# KiCad board SNES Device.kicad_pcb (continued)
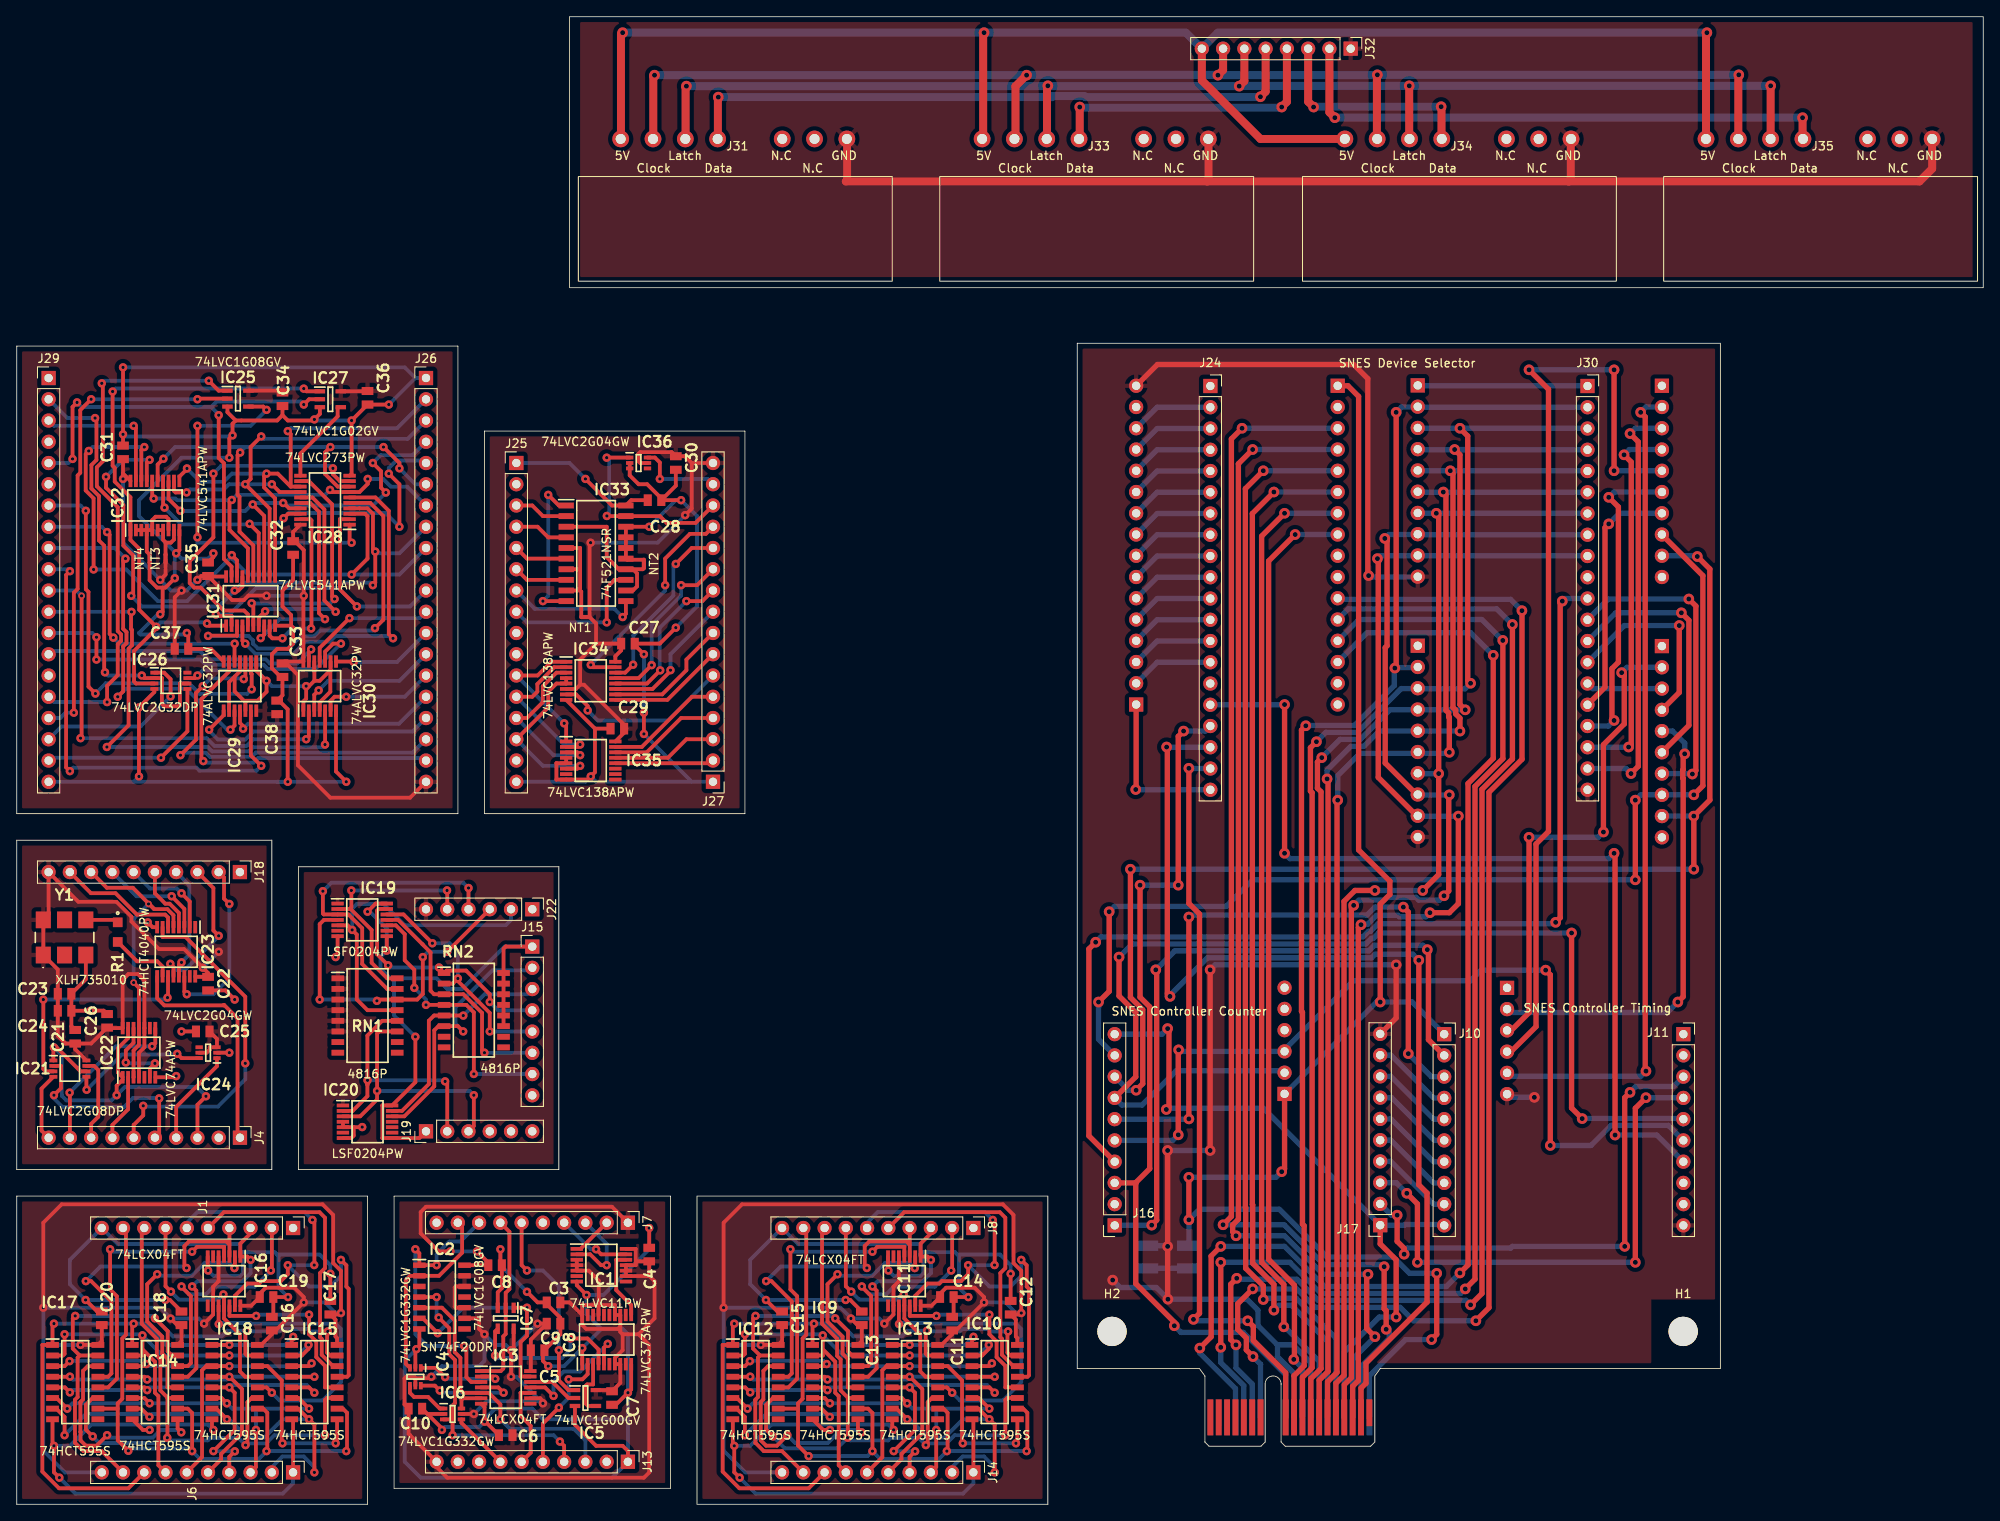
[diagram p0: board, top side]
## Footprints (pads in the part's own frame, mm; a bottom-side part is the same pattern mirrored in y, then rotated) (continued)
SNES Controller Port
  round 2 hole 1.2: 1(11.58,0) 2(7.72,0) 3(3.86,0) 4(-3.86,0) 5(-7.72,0) 6(-11.58,0) 7(-15.44,0)
SOIC127P600X175-14N
  rect 1.5x0.65 smd: 1(-2.7,3.81) 2(-2.7,2.54) 3(-2.7,1.27) 4(-2.7,0) 5(-2.7,-1.27) 6(-2.7,-2.54) 7(-2.7,-3.81) 8(2.7,-3.81) 9(2.7,-2.54) 10(2.7,-1.27) 11(2.7,0) 12(2.7,1.27) 13(2.7,2.54) 14(2.7,3.81)
SOIC127P600X175-16N
  rect 1.525x0.7 smd: 1(-2.712,4.445) 2(-2.712,3.175) 3(-2.712,1.905) 4(-2.712,0.635) 5(-2.712,-0.635) 6(-2.712,-1.905) 7(-2.712,-3.175) 8(-2.712,-4.445) 9(2.712,-4.445) 10(2.712,-3.175) 11(2.712,-1.905) 12(2.712,-0.635) 13(2.712,0.635) 14(2.712,1.905) 15(2.712,3.175) 16(2.712,4.445)
SOIC127P762X215-16N
  rect 1.505x0.7 smd: 1(-3.548,4.445) 2(-3.548,3.175) 3(-3.548,1.905) 4(-3.548,0.635) 5(-3.548,-0.635) 6(-3.548,-1.905) 7(-3.548,-3.175) 8(-3.548,-4.445) 9(3.548,-4.445) 10(3.548,-3.175) 11(3.548,-1.905) 12(3.548,-0.635) 13(3.548,0.635) 14(3.548,1.905) 15(3.548,3.175) 16(3.548,4.445)
SOIC127P780X200-20N
  rect 1.825x0.7 smd: 1(-3.562,5.715) 2(-3.562,4.445) 3(-3.562,3.175) 4(-3.562,1.905) 5(-3.562,0.635) 6(-3.562,-0.635) 7(-3.562,-1.905) 8(-3.562,-3.175) 9(-3.562,-4.445) 10(-3.562,-5.715) 11(3.562,-5.715) 12(3.562,-4.445) 13(3.562,-3.175) 14(3.562,-1.905) 15(3.562,-0.635) 16(3.562,0.635) 17(3.562,1.905) 18(3.562,3.175) 19(3.562,4.445) 20(3.562,5.715)
SOP65P210X110-6N
  rect 0.875x0.45 smd: 1(-1.062,0.65) 2(-1.062,0) 3(-1.062,-0.65) 4(1.062,-0.65) 5(1.062,0) 6(1.062,0.65)
SOP65P400X110-8N
  rect 0.95x0.45 smd: 1(-1.975,0.975) 2(-1.975,0.325) 3(-1.975,-0.325) 4(-1.975,-0.975) 5(1.975,-0.975) 6(1.975,-0.325) 7(1.975,0.325) 8(1.975,0.975)
SOP65P640X110-14N
  rect 1.475x0.45 smd: 1(-2.938,1.95) 2(-2.938,1.3) 3(-2.938,0.65) 4(-2.938,0) 5(-2.938,-0.65) 6(-2.938,-1.3) 7(-2.938,-1.95) 8(2.938,-1.95) 9(2.938,-1.3) 10(2.938,-0.65) 11(2.938,0) 12(2.938,0.65) 13(2.938,1.3) 14(2.938,1.95)
SOP65P640X110-16N
  rect 1.475x0.45 smd: 1(-2.938,2.275) 2(-2.938,1.625) 3(-2.938,0.975) 4(-2.938,0.325) 5(-2.938,-0.325) 6(-2.938,-0.975) 7(-2.938,-1.625) 8(-2.938,-2.275) 9(2.938,-2.275) 10(2.938,-1.625) 11(2.938,-0.975) 12(2.938,-0.325) 13(2.938,0.325) 14(2.938,0.975) 15(2.938,1.625) 16(2.938,2.275)
SOP65P640X110-20N
  rect 1.475x0.45 smd: 1(-2.938,2.925) 2(-2.938,2.275) 3(-2.938,1.625) 4(-2.938,0.975) 5(-2.938,0.325) 6(-2.938,-0.325) 7(-2.938,-0.975) 8(-2.938,-1.625) 9(-2.938,-2.275) 10(-2.938,-2.925) 11(2.938,-2.925) 12(2.938,-2.275) 13(2.938,-1.625) 14(2.938,-0.975) 15(2.938,-0.325) 16(2.938,0.325) 17(2.938,0.975) 18(2.938,1.625) 19(2.938,2.275) 20(2.938,2.925)
SOP65P640X120-14N
  rect 1.475x0.45 smd: 1(-2.938,1.95) 2(-2.938,1.3) 3(-2.938,0.65) 4(-2.938,0) 5(-2.938,-0.65) 6(-2.938,-1.3) 7(-2.938,-1.95) 8(2.938,-1.95) 9(2.938,-1.3) 10(2.938,-0.65) 11(2.938,0) 12(2.938,0.65) 13(2.938,1.3) 14(2.938,1.95)
SOT95P275X110-5N
  rect 1.25x0.5 smd: 1(-1.25,0.95) 2(-1.25,0) 3(-1.25,-0.95) 4(1.25,-0.95) 5(1.25,0.95)
XLH735010000000X
  rect 1.8x2 smd: 1(-2.54,-2.1) 2(0,-2.1) 3(2.54,-2.1) 4(2.54,2.1) 5(0,2.1) 6(-2.54,2.1)

## Nets
/3.3V: C2.2 J2.B8 J2.B10 J5.10 J11.10 J12.10 J17.10 J21.6 J28.16 J30.20
/5V: C1.1 J2.B1 J10.1 J20.1 J23.1
/GND: C1.2 C2.1 J2.B4 J3.10 J5.1 J9.10 J10.10 J11.1 J12.1 J16.10 J17.1 J20.6 J21.1 J23.16 J24.20 J28.1 J30.1
/SNES Controller Board/SNES Controller Shift Register1/3.3V: C16.1 C17.1 C18.1 C19.1 C20.1 IC14.16 IC15.16 IC16.5 IC16.9 IC16.14 IC17.16 IC18.16 J6.10
/SNES Controller Board/SNES Controller Shift Register1/GND: C16.2 C17.2 C18.2 C19.2 C20.2 IC14.8 IC15.8 IC16.7 IC17.8 IC18.8 J1.10 J6.1
/SNES Controller Board/SNES Controller Shift Register/3.3V: C11.1 C12.1 C13.1 C14.1 C15.1 IC9.16 IC10.16 IC11.5 IC11.9 IC11.14 IC12.16 IC13.16 J14.10
/SNES Controller Board/SNES Controller Shift Register/GND: C11.2 C12.2 C13.2 C14.2 C15.2 IC9.8 IC10.8 IC11.7 IC12.8 IC13.8 J8.10 J14.1
/SNES Controller Board/SNES Controller Translation/3.3V: IC19.1 IC20.1 J22.6 RN1.1 RN1.2 RN1.3 RN1.4 RN1.5 RN1.6
/SNES Controller Board/SNES Controller Translation/5V: IC19.8 IC19.14 IC20.8 IC20.14 J15.1 J19.1 RN2.11 RN2.12 RN2.13 RN2.14 RN2.15 RN2.16
/SNES Controller Board/SNES Controller Translation/GND: IC19.7 IC20.4 IC20.5 IC20.7 J15.8 J19.6 J22.1
/SNES Ports/5V: J31.7 J32.8 J33.7 J34.7 J35.7
/SNES Ports/GND: J31.1 J32.1 J33.1 J34.1 J35.1
/Address0: J2.B12 J23.11
/Address1: J2.B13 J23.12
/Address2: J2.B14 J23.13
/Address3: J2.B15 J23.14
/Data0: J2.A3 J5.9 J12.9 J30.9
/Data1: J2.A4 J5.8 J12.8 J30.8
/Data2: J2.A5 J5.7 J12.7 J30.7
/Data3: J2.A6 J5.6 J12.6 J30.6
/Data4: J2.A7 J5.5 J12.5 J30.5
/Data5: J2.A8 J5.4 J12.4 J30.4
/Data6: J2.A9 J5.3 J12.3 J30.3
/Data7: J2.A10 J5.2 J12.2 J30.2
/Identifier0: J2.B2 J23.3
/Identifier1: J2.B3 J23.4
/Identifier2: J2.B5 J23.5
/Identifier3: J2.B6 J23.6
/Identifier4: J2.B7 J23.7
/Identifier5: J2.B9 J23.8
/SNES Controller Board/C Controller Clock: IC22.2 J4.7
/SNES Controller Board/C Controller Latch: IC21.2 J4.5
/SNES Controller Board/C Counter Reset: IC24.1 J4.4
/SNES Controller Board/C Shift Clock: IC22.8 J4.9
/SNES Controller Board/C ~{Reset}: IC21.1 IC21.6 IC22.1 IC22.13 J4.3
/SNES Controller Board/C ~{Shift Reset}: IC21.7 J4.8
/SNES Controller Board/Controller A Data: J3.2 J21.5
/SNES Controller Board/Controller A ~{OE} High Byte: J3.4 J30.18
/SNES Controller Board/Controller A ~{OE} Low Byte: J3.3 J30.19
/SNES Controller Board/Controller B Data: J3.5 J21.4
/SNES Controller Board/Controller B ~{OE} High Byte: J3.7 J30.16
/SNES Controller Board/Controller B ~{OE} Low Byte: J3.6 J30.17
/SNES Controller Board/Controller C Data: J9.2 J21.3
/SNES Controller Board/Controller C ~{OE} High Byte: J9.4 J30.14
/SNES Controller Board/Controller C ~{OE} Low Byte: J9.3 J30.15
/SNES Controller Board/Controller Clock: J11.5 J16.7 J20.2
/SNES Controller Board/Controller D Data: J9.5 J21.2
/SNES Controller Board/Controller D ~{OE} High Byte: J9.7 J30.12
/SNES Controller Board/Controller D ~{OE} Low Byte: J9.6 J30.13
/SNES Controller Board/Controller Latch: J11.6 J16.5 J20.3
/SNES Controller Board/Counter 3.3V: C21.1 C22.1 C23.1 C24.1 C25.1 C26.1 IC21.8 IC22.4 IC22.10 IC22.14 IC23.16 IC24.3 IC24.5 J18.10 Y1.1 Y1.6
/SNES Controller Board/Counter GND: C21.2 C22.2 C23.2 C24.2 C25.2 C26.2 IC21.4 IC22.7 IC23.8 IC24.2 J4.10 J18.1 Y1.3
/SNES Controller Board/Counter Reset: J16.4 J30.11
/SNES Controller Board/COUNTER_IN0: IC1.1 J7.2
/SNES Controller Board/COUNTER_IN1: IC1.2 J7.3
/SNES Controller Board/COUNTER_IN2: IC1.13 J7.4
/SNES Controller Board/COUNTER_IN3: J7.5
/SNES Controller Board/COUNTER_IN4: IC5.1 J7.6
/SNES Controller Board/COUNTER_IN5: IC3.1 IC7.2 J7.7
/SNES Controller Board/COUNTER_IN6: IC2.1 IC3.3 J7.8
/SNES Controller Board/COUNTER_IN7: IC2.2 IC4.3 J7.9
/SNES Controller Board/COUNTER_IN8: IC2.4 IC6.3 J13.4
/SNES Controller Board/COUNTER_IN9: IC2.5 IC3.5 J13.3
/SNES Controller Board/COUNTER_OUT0: IC23.9 J4.1
/SNES Controller Board/COUNTER_OUT1: IC23.7 J4.6
/SNES Controller Board/COUNTER_OUT2: IC23.6 J18.9
/SNES Controller Board/COUNTER_OUT3: IC22.3 IC22.11 IC23.5 J18.8
/SNES Controller Board/COUNTER_OUT4: IC23.3 J18.7
/SNES Controller Board/COUNTER_OUT5: IC23.2 J18.6
/SNES Controller Board/COUNTER_OUT6: IC23.4 J18.5
/SNES Controller Board/COUNTER_OUT7: IC23.13 J18.4
/SNES Controller Board/COUNTER_OUT8: IC23.12 J18.3
/SNES Controller Board/COUNTER_OUT9: IC23.14 J18.2
/SNES Controller Board/COUNTER_VALUE0: J10.2 J16.1
/SNES Controller Board/COUNTER_VALUE1: J10.3 J16.6
/SNES Controller Board/COUNTER_VALUE2: J10.4 J17.9
/SNES Controller Board/COUNTER_VALUE3: J10.5 J17.8
/SNES Controller Board/COUNTER_VALUE4: J10.6 J17.7
/SNES Controller Board/COUNTER_VALUE5: J10.7 J17.6
/SNES Controller Board/COUNTER_VALUE6: J10.8 J17.5
/SNES Controller Board/COUNTER_VALUE7: J10.9 J17.4
/SNES Controller Board/COUNTER_VALUE8: J11.4 J17.3
/SNES Controller Board/COUNTER_VALUE9: J11.3 J17.2
/SNES Controller Board/Shift Clock: J3.8 J9.8 J16.9
/SNES Controller Board/SNES Controller Counter/HCT4040 MR: IC21.3 IC23.11
/SNES Controller Board/SNES Controller Shift Register1/Controller A Data: IC14.14 J1.2
/SNES Controller Board/SNES Controller Shift Register1/Controller A ~{OE} High Byte: IC16.3 IC17.13 J1.4
/SNES Controller Board/SNES Controller Shift Register1/Controller A ~{OE} Low Byte: IC14.13 IC16.1 J1.3
/SNES Controller Board/SNES Controller Shift Register1/Controller B Data: IC15.14 J1.5
/SNES Controller Board/SNES Controller Shift Register1/Controller B ~{OE} High Byte: IC16.11 IC18.13 J1.7
/SNES Controller Board/SNES Controller Shift Register1/Controller B ~{OE} Low Byte: IC15.13 IC16.13 J1.6
/SNES Controller Board/SNES Controller Shift Register1/Shift Clock: IC14.11 IC15.11 IC17.11 IC18.11 J1.8
/SNES Controller Board/SNES Controller Shift Register1/SHIFT_OUT0: IC14.15 IC15.15 IC17.15 IC18.15 J6.9
/SNES Controller Board/SNES Controller Shift Register1/SHIFT_OUT1: IC14.1 IC15.1 IC17.1 IC18.1 J6.8
/SNES Controller Board/SNES Controller Shift Register1/SHIFT_OUT2: IC14.2 IC15.2 IC17.2 IC18.2 J6.7
/SNES Controller Board/SNES Controller Shift Register1/SHIFT_OUT3: IC14.3 IC15.3 IC17.3 IC18.3 J6.6
/SNES Controller Board/SNES Controller Shift Register1/SHIFT_OUT4: IC14.4 IC15.4 IC17.4 IC18.4 J6.5
/SNES Controller Board/SNES Controller Shift Register1/SHIFT_OUT5: IC14.5 IC15.5 IC17.5 IC18.5 J6.4
/SNES Controller Board/SNES Controller Shift Register1/SHIFT_OUT6: IC14.6 IC15.6 IC17.6 IC18.6 J6.3
/SNES Controller Board/SNES Controller Shift Register1/SHIFT_OUT7: IC14.7 IC15.7 IC17.7 IC18.7 J6.2
/SNES Controller Board/SNES Controller Shift Register1/~{Shift Reset}: IC14.10 IC15.10 IC17.10 IC18.10 J1.9
/SNES Controller Board/SNES Controller Shift Register/Controller A Data: IC9.14 J8.2
/SNES Controller Board/SNES Controller Shift Register/Controller A ~{OE} High Byte: IC11.3 IC12.13 J8.4
/SNES Controller Board/SNES Controller Shift Register/Controller A ~{OE} Low Byte: IC9.13 IC11.1 J8.3
/SNES Controller Board/SNES Controller Shift Register/Controller B Data: IC10.14 J8.5
/SNES Controller Board/SNES Controller Shift Register/Controller B ~{OE} High Byte: IC11.11 IC13.13 J8.7
/SNES Controller Board/SNES Controller Shift Register/Controller B ~{OE} Low Byte: IC10.13 IC11.13 J8.6
/SNES Controller Board/SNES Controller Shift Register/Shift Clock: IC9.11 IC10.11 IC12.11 IC13.11 J8.8
/SNES Controller Board/SNES Controller Shift Register/SHIFT_OUT0: IC9.15 IC10.15 IC12.15 IC13.15 J14.9
/SNES Controller Board/SNES Controller Shift Register/SHIFT_OUT1: IC9.1 IC10.1 IC12.1 IC13.1 J14.8
/SNES Controller Board/SNES Controller Shift Register/SHIFT_OUT2: IC9.2 IC10.2 IC12.2 IC13.2 J14.7
/SNES Controller Board/SNES Controller Shift Register/SHIFT_OUT3: IC9.3 IC10.3 IC12.3 IC13.3 J14.6
/SNES Controller Board/SNES Controller Shift Register/SHIFT_OUT4: IC9.4 IC10.4 IC12.4 IC13.4 J14.5
/SNES Controller Board/SNES Controller Shift Register/SHIFT_OUT5: IC9.5 IC10.5 IC12.5 IC13.5 J14.4
/SNES Controller Board/SNES Controller Shift Register/SHIFT_OUT6: IC9.6 IC10.6 IC12.6 IC13.6 J14.3
/SNES Controller Board/SNES Controller Shift Register/SHIFT_OUT7: IC9.7 IC10.7 IC12.7 IC13.7 J14.2
/SNES Controller Board/SNES Controller Shift Register/~{Shift Reset}: IC9.10 IC10.10 IC12.10 IC13.10 J8.9
/SNES Controller Board/SNES Controller Timing/LE: IC1.12 IC8.11
/SNES Controller Board/SNES Controller Translation/Controller A Data: IC19.2 J22.5 RN1.16
/SNES Controller Board/SNES Controller Translation/Controller B Data: IC19.3 J22.4 RN1.15
/SNES Controller Board/SNES Controller Translation/Controller C Data: IC19.4 J22.3 RN1.14
/SNES Controller Board/SNES Controller Translation/Controller Clock: IC20.3 J19.3 RN1.11
/SNES Controller Board/SNES Controller Translation/Controller D Data: IC19.5 J22.2 RN1.13
/SNES Controller Board/SNES Controller Translation/Controller Latch: IC20.2 J19.2 RN1.12
/SNES Controller Board/T Controller Clock: IC8.2 J13.5
/SNES Controller Board/T Controller LE: IC3.10 J13.6
/SNES Controller Board/T ~{Done Shifting}: IC6.4 J13.7
/SNES Controller Board/Timing 3.3V: C3.1 C4.1 C5.1 C6.1 C7.1 C9.1 C10.1 IC1.3 IC1.4 IC1.5 IC1.9 IC1.10 IC1.11 IC1.14 IC2.9 IC2.10 IC2.12 IC2.13 IC3.9 IC3.14 IC4.5 IC5.5 IC6.5 IC7.5 IC8.7 IC8.8 IC8.13 IC8.14 IC8.17 IC8.18 IC8.20 J13.10
/SNES Controller Board/Timing 5V: C8.1 IC2.14 J7.1
/SNES Controller Board/Timing GND: C3.2 C4.2 C5.2 C6.2 C7.2 C8.2 C9.2 C10.2 IC1.7 IC2.7 IC3.7 IC4.2 IC5.3 IC6.2 IC7.3 IC8.1 IC8.10 J7.10 J13.1
/SNES Controller Board/~{Done Shifting}: J11.7 J24.16
/SNES Controller Board/~{Reset}: J2.B11 J16.3 J24.17
/SNES Controller Board/~{Shift Reset}: J3.9 J9.9 J16.8
/SNES Controller Device/Channel RWB: IC26.1 J29.18
/SNES Controller Device/Channel ~{RWB}: IC26.5 J29.19
/SNES Controller Device/Device Channel RWB: J2.A2 J24.18
/SNES Controller Device/Device Channel ~{RWB}: J2.A11 J24.19
/SNES Controller Device/Device Selected: J28.15
/SNES Controller Device/Device Selector/DEVICE_ADDRESS0: IC34.1 IC35.1 J25.11
/SNES Controller Device/Device Selector/DEVICE_ADDRESS1: IC34.2 IC35.2 J25.12
/SNES Controller Device/Device Selector/DEVICE_ADDRESS2: IC34.3 IC35.3 J25.13
/SNES Controller Device/Device Selector/DEVICE_ADDRESS3: IC34.4 IC34.5 IC35.6 J25.14
/SNES Controller Device/Device Selector/DEVICE_IDENTIFIER0: IC33.2 J25.3
/SNES Controller Device/Device Selector/DEVICE_IDENTIFIER1: IC33.4 J25.4
/SNES Controller Device/Device Selector/DEVICE_IDENTIFIER2: IC33.6 J25.5
/SNES Controller Device/Device Selector/DEVICE_IDENTIFIER3: IC33.8 J25.6
/SNES Controller Device/Device Selector/DEVICE_IDENTIFIER4: IC33.11 J25.7
/SNES Controller Device/Device Selector/DEVICE_IDENTIFIER5: IC33.13 J25.8
/SNES Controller Device/Device Selector/HARD_IDENTIFIER0: IC33.3 IC33.12 IC33.14 NT2.2
/SNES Controller Device/Device Selector/HARD_IDENTIFIER3: IC33.5 IC33.7 IC33.9 NT1.2
/SNES Controller Device/Device Selector/SELECT12: IC35.11
/SNES Controller Device/Device Selector/SELECT13: IC35.10
/SNES Controller Device/Device Selector/SELECT14: IC35.9
/SNES Controller Device/Device Selector/SELECT15: IC35.7
/SNES Controller Device/Left 3.3V: C27.1 C29.1 C30.1 IC34.6 IC34.16 IC35.16 IC36.5 J27.16 NT1.1
/SNES Controller Device/Left 5V: C28.1 IC33.20 J25.1
/SNES Controller Device/Left GND: C27.2 C28.2 C29.2 C30.2 IC33.1 IC33.10 IC33.15 IC33.16 IC33.17 IC33.18 IC34.8 IC35.4 IC35.5 IC35.8 IC36.2 IC36.3 J25.16 J27.1 NT2.1
/SNES Controller Device/Right 3.3V: C31.1 C32.1 C33.1 C34.1 C35.1 C36.1 C37.1 C38.1 IC25.5 IC26.8 IC27.5 IC28.20 IC29.14 IC30.14 IC31.20 IC32.20 J26.20 NT3.1
/SNES Controller Device/Right GND: C31.2 C32.2 C33.2 C34.2 C35.2 C36.2 C37.2 C38.2 IC25.3 IC26.4 IC27.3 IC28.10 IC29.7 IC30.7 IC31.10 IC32.10 J26.1 J29.20 NT4.1
/SNES Controller Device/Select In 0: IC32.19 J29.3
/SNES Controller Device/Select In 1: J29.4
/SNES Controller Device/Select In 2: IC27.2 IC31.19 J29.5
/SNES Controller Device/Select In 3: J29.6
/SNES Controller Device/Select In 4: IC29.2 J29.7
/SNES Controller Device/Select In 5: IC29.5 J29.8
/SNES Controller Device/Select In 6: IC29.10 J29.9
/SNES Controller Device/Select In 7: IC29.13 J29.10
/SNES Controller Device/Select In 8: IC30.2 J29.11
/SNES Controller Device/Select In 9: IC30.5 J29.12
/SNES Controller Device/Select In 10: IC30.10 J29.13
/SNES Controller Device/Select In 11: IC30.13 J29.14
/SNES Controller Device/Select Out 0: IC34.15 J27.13
/SNES Controller Device/Select Out 1: IC34.14 J27.12
/SNES Controller Device/Select Out 2: IC34.13 J27.11
/SNES Controller Device/Select Out 3: IC34.12 J27.10
/SNES Controller Device/Select Out 4: IC34.11 J27.9
/SNES Controller Device/Select Out 5: IC34.10 J27.8
/SNES Controller Device/Select Out 6: IC34.9 J27.7
/SNES Controller Device/Select Out 7: IC34.7 J27.6
/SNES Controller Device/Select Out 8: IC35.15 J27.5
/SNES Controller Device/Select Out 9: IC35.14 J27.4
/SNES Controller Device/Select Out 10: IC35.13 J27.3
/SNES Controller Device/Select Out 11: IC35.12 J27.2
/SNES Controller Device/Selected: IC36.6 J27.15
/SNES Controller Device/SNES Device Selector/Controller A ~{OE} High Byte: IC29.3 J26.18
/SNES Controller Device/SNES Device Selector/Controller A ~{OE} Low Byte: IC29.6 J26.19
/SNES Controller Device/SNES Device Selector/Controller B ~{OE} High Byte: IC29.11 J26.16
/SNES Controller Device/SNES Device Selector/Controller B ~{OE} Low Byte: IC29.8 J26.17
/SNES Controller Device/SNES Device Selector/Controller C ~{OE} High Byte: IC30.3 J26.14
/SNES Controller Device/SNES Device Selector/Controller C ~{OE} Low Byte: IC30.6 J26.15
/SNES Controller Device/SNES Device Selector/Controller D ~{OE} High Byte: IC30.11 J26.12
/SNES Controller Device/SNES Device Selector/Controller D ~{OE} Low Byte: IC30.8 J26.13
/SNES Controller Device/SNES Device Selector/Counter Reset: IC28.2 IC31.2 J26.11
/SNES Controller Device/SNES Device Selector/Data0: IC28.3 IC31.18 IC32.18 J26.9
/SNES Controller Device/SNES Device Selector/Data1: IC28.4 IC31.17 IC32.17 J26.8
/SNES Controller Device/SNES Device Selector/Data2: IC28.7 IC31.16 IC32.16 J26.7
/SNES Controller Device/SNES Device Selector/Data3: IC28.8 IC31.15 IC32.15 J26.6
/SNES Controller Device/SNES Device Selector/Data4: IC28.18 IC31.14 IC32.14 J26.5
/SNES Controller Device/SNES Device Selector/Data5: IC28.17 IC31.13 IC32.13 J26.4
/SNES Controller Device/SNES Device Selector/Data6: IC28.14 IC31.12 IC32.12 J26.3
/SNES Controller Device/SNES Device Selector/Data7: IC28.13 IC31.11 IC32.11 J26.2
/SNES Controller Device/SNES Device Selector/Presence3: IC32.2 IC32.3 IC32.4 IC32.5 IC32.8 NT4.2
/SNES Controller Device/SNES Device Selector/Presence7: IC32.6 IC32.7 IC32.9 NT3.2
/SNES Controller Device/SNES Device Selector/Read + ~{Device}: IC26.3 IC27.1 IC31.1 IC32.1
/SNES Controller Device/SNES Device Selector/Write + ~{Device}: IC26.7 IC29.1 IC29.4 IC29.9 IC29.12 IC30.1 IC30.4 IC30.9 IC30.12
/SNES Controller Device/~{Latch Reset}: IC25.1 J29.16
/SNES Controller Device/~{P=Q} In: IC26.2 IC26.6 J29.2
/SNES Controller Device/~{P=Q} Out: IC33.19 IC36.1 J27.14
/SNES Controller Device/~{Reset}: IC25.2 J29.17
/SNES Ports/Clock: J31.6 J32.7 J33.6 J34.6 J35.6
/SNES Ports/Data A: J31.4 J32.5
/SNES Ports/Data B: J32.4 J33.4
/SNES Ports/Data C: J32.3 J34.4
/SNES Ports/Data D: J32.2 J35.4
/SNES Ports/Latch: J31.5 J32.6 J33.5 J34.5 J35.5
Net-(IC2-Pad6): IC2.6 IC3.13 IC7.1
Net-(IC3-Pad2): IC3.2 IC4.1
Net-(IC3-Pad4): IC3.4 IC4.6
Net-(IC3-Pad6): IC3.6 IC6.6
Net-(IC3-Pad11): IC3.11 IC8.5
Net-(IC3-Pad12): IC3.12 IC5.2
Net-(IC4-Pad4): IC4.4 IC6.1
Net-(IC5-Pad4): IC5.4 IC8.3
Net-(IC7-Pad4): IC7.4 IC8.4
Net-(IC10-Pad9): IC10.9 IC13.14
Net-(IC10-Pad12): IC10.12 IC11.12
Net-(IC11-Pad2): IC9.12 IC11.2
Net-(IC11-Pad4): IC11.4 IC12.12
Net-(IC11-Pad10): IC11.10 IC13.12
Net-(IC12-Pad14): IC9.9 IC12.14
Net-(IC14-Pad9): IC14.9 IC17.14
Net-(IC14-Pad12): IC14.12 IC16.2
Net-(IC15-Pad9): IC15.9 IC18.14
Net-(IC15-Pad12): IC15.12 IC16.12
Net-(IC16-Pad4): IC16.4 IC17.12
Net-(IC16-Pad10): IC16.10 IC18.12
Net-(IC19-Pad10): IC19.10 J15.7 RN2.4
Net-(IC19-Pad11): IC19.11 J15.6 RN2.3
Net-(IC19-Pad12): IC19.12 J15.5 RN2.2
Net-(IC19-Pad13): IC19.13 J15.4 RN2.1
Net-(IC20-Pad12): IC20.12 J15.2 RN2.6
Net-(IC20-Pad13): IC20.13 J15.3 RN2.5
Net-(IC21-Pad5): IC21.5 IC24.6
Net-(IC22-Pad12): IC22.6 IC22.12
Net-(IC23-Pad10): IC23.10 R1.2
Net-(IC25-Pad4): IC25.4 IC28.1
Net-(IC27-Pad4): IC27.4 IC28.11
Net-(IC28-Pad5): IC28.5 IC31.3
Net-(IC28-Pad6): IC28.6 IC31.4
Net-(IC28-Pad9): IC28.9 IC31.5
Net-(IC28-Pad12): IC28.12 IC31.6
Net-(IC28-Pad15): IC28.15 IC31.7
Net-(IC28-Pad16): IC28.16 IC31.8
Net-(IC28-Pad19): IC28.19 IC31.9
Net-(J24-Pad2): J24.2 J28.14
Net-(J24-Pad3): J24.3 J28.13
Net-(J24-Pad4): J24.4 J28.12
Net-(J24-Pad5): J24.5 J28.11
Net-(J24-Pad6): J24.6 J28.10
Net-(J24-Pad7): J24.7 J28.9
Net-(J24-Pad8): J24.8 J28.8
Net-(J24-Pad9): J24.9 J28.7
Net-(J24-Pad10): J24.10 J28.6
Net-(J24-Pad11): J24.11 J28.5
Net-(J24-Pad12): J24.12 J28.4
Net-(J24-Pad13): J24.13 J28.3
Net-(J24-Pad14): J24.14 J28.2
Net-(R1-Pad1): R1.1 Y1.4

Pads without a net: IC1 6 8; IC2 3 8 11; IC3 8; IC8 6 9 12 15 16 19; IC11 6 8; IC12 9; IC13 9; IC16 6 8; IC17 9; IC18 9; IC19 6 9; IC20 6 9 10 11; IC22 5 9; IC23 1 15; IC24 4; IC36 4; J1 1; J2 A1 A12 A13 A14 A15 A16 A17 A18 B16 B17 B18; J3 1; J4 2; J8 1; J9 1; J11 2 8 9; J13 2 8 9; J16 2; J19 4 5; J20 4 5; J23 2 9 10 15; J24 1 15; J25 2 9 10 15; J26 10; J29 1 15; J30 10; J31 2 3; J33 2 3; J34 2 3; J35 2 3; RN1 7 8 9 10; RN2 7 8 9 10; Y1 2 5

## Via types
v1: diameter 1, hole 0.4, Top to Bottom, 433 vias
v2: diameter 1.27, hole 0.6, Top to Bottom, 169 vias
v3: diameter 0.8, hole 0.4, Top to Bottom, 3 vias

## Routing (per net, layer and track width the routed paths; a pad name or vN(x,y) marks a point on that pad's centre or on a via; arc(x,y) is an arc through that point)
/3.3V: length 185.1
  Top w0.635: J17.10 164.81,58.13 v2(164.81,64.48) ; v2(137.54,24.51) 137.5,24.55 v2(137.5,30.82) v2(137.5,42.29) ; v2(161.51,111) 161.42,111.09 161.42,134.54 159.73,136.23 136.28,136.23 J28.16 ; v2(142.58,63.88) v2(142.58,42.29)
  Bottom w0.635: v2(137.5,30.82) 137.42,30.9 135.6,30.9 ; v2(142.58,42.29) v2(137.5,42.29) ; 150.62,19.05 148.3,21.38 148.3,23.2 146.99,24.51 v2(137.54,24.51) 136.14,25.91 131.83,25.91 v2(130.94,26.8) ; 150.62,19.05 152.47,19.05 154.61,16.91 J2.B8 ; 150.62,19.05 150.62,17.64 152.61,15.65 J2.B10 ; J21.6 178.44,48.64 v2(181.32,48.64) ; v2(164.81,64.48) 143.18,64.48 v2(142.58,63.88) ; v2(161.51,111) 161.68,110.83 167.35,110.83
/5V: length 187.3
  Top w0.635: v2(151.13,39.75) 151.47,40.09 J20.1 ; v2(140.04,39.08) v2(140.04,34) ; v2(169.04,19.69) 169.65,20.3 v2(169.65,27.61) ; J23.1 159.04,133.69 160.32,132.42 160.32,78.21 164.05,74.48 164.05,72.89 162.9,71.74 v2(162.9,60.03)
  Bottom w0.635: v2(169.04,19.69) 165.92,19.69 161.61,15.37 J2.B1 ; C1.1 v2(140.04,34) 141.31,35.27 150.84,35.27 156.55,29.55 164.47,29.55 166.41,27.61 v2(169.65,27.61) ; v2(151.13,39.75) 150.46,39.08 v2(140.04,39.08) ; 170.55,56.2 166.71,60.03 162.46,60.03 J20.1
/GND: length 126.8
  Top w0.635: J17.1 162.9,31.12 164.81,29.21 v2(164.81,22.38) ; J28.1 133.74,85.48 v2(133.69,85.43) ; v2(137.35,47.19) 137.66,47.51 137.66,56.69 v2(137.5,56.86)
  Bottom w0.635: v2(164.81,22.38) 162.8,22.38 158.61,18.19 J2.B4 ; J24.20 133.72,85.4 v2(133.69,85.43) ; v2(137.35,47.19) 137.49,47.33 148.93,47.33 J17.1 ; 167.35,133.69 187.64,133.69 ; 135.6,28.2 C1.2 ; v2(137.5,56.86) 136.84,56.19 J16.10 ; 170.75,33.44 165.89,33.44 165.81,33.36 163.22,33.36
/SNES Controller Board/SNES Controller Shift Register1/3.3V: length 152.2
  Top w0.45: C20.1 10.16,19.51 IC17.16 v1(7.62,19.05) ; v1(22.38,21.59) 23.46,22.68 IC16.9 23.46,26 24.11,26.66 24.11,29.61 ; IC16.14 28,23.73 C19.1 ; 29.04,25.17 29.75,25.88 33.17,25.88 34.29,24.76 v1(34.29,24.13) 30.94,20.78 ; 29.21,19.05 30.48,20.32 C16.1 ; IC14.16 19.68,19.51 C18.1 19.18,21.41 v1(18.38,22.21) ; v1(3.18,23.5) 3.18,33.66 5.37,35.85 36.54,35.85 37.81,34.58 37.81,28.83 38.73,27.9 v1(38.73,22.86) 38.56,22.69 C17.1 38.09,22.06 38.09,20.05 38.27,19.86 IC15.16
  Bottom w0.45: J6.10 5.77,3.81 3.18,6.41 v1(3.18,23.5) 17.14,23.5 18.38,22.26 v1(18.38,22.21) 21.76,22.21 v1(22.38,21.59) ; v1(34.29,24.13) 36.83,24.13 38.1,22.86 v1(38.73,22.86) ; 3.18,19.05 v1(7.62,19.05)
/SNES Controller Board/SNES Controller Shift Register1/GND: length 146.6
  Top w0.45: IC18.8 23.32,9.06 v1(23.5,8.89) ; IC17.8 4.27,7.16 v1(4.45,6.98) 4.45,3.83 v1(5.09,3.18) ; 22.82,29.61 22.82,27.98 v1(22.86,27.94) ; v1(15.88,8.89) 15.07,8.89 IC14.8 ; 30.65,22.57 C19.2 v1(32.41,24.76) ; IC15.8 33.02,9.99 J6.1 ; v1(8.23,24.42) 9.61,23.03 C20.2 ; v1(17.75,24.42) 18.3,24.42 C18.2 ; C17.2 v1(37.47,27.56)
  Bottom w0.45: v1(5.09,3.18) 7,1.27 31.78,1.27 33.02,2.51 J6.1 ; v1(23.5,8.89) 22.86,9.53 8.89,9.53 6.35,6.98 v1(4.45,6.98) ; 26.67,29.84 27.02,29.5 27.02,27.62 26.7,27.31 23.5,27.31 v1(22.86,27.94) ; 26.67,29.84 26.96,30.13 30.83,30.13 31.11,29.84 ; 26.67,29.84 26.67,31.11 12.06,31.11 J1.10 6.35,29.22 6.35,26.3 v1(8.23,24.42) v1(17.75,24.42) ; 31.11,29.84 36.19,29.84 37.47,28.57 v1(37.47,27.56) ; 31.11,29.84 31.28,29.68 31.28,25.89 v1(32.41,24.76)
/SNES Controller Board/SNES Controller Shift Register/3.3V: length 152.2
  Top w0.45: C15.1 91.44,19.51 IC12.16 v1(88.9,19.05) ; 110.49,19.05 111.76,20.32 C11.1 ; C14.1 109.28,23.73 IC11.14 ; IC9.16 100.96,19.51 C13.1 100.46,21.41 v1(99.66,22.21) ; v1(103.66,21.59) 104.74,22.68 IC11.9 104.74,26 105.39,26.66 105.39,29.61 ; 110.31,25.17 111.03,25.88 114.45,25.88 115.57,24.76 v1(115.57,24.13) 112.22,20.78 ; v1(84.45,23.5) 84.45,33.66 86.65,35.85 117.82,35.85 119.09,34.58 119.09,28.83 120.02,27.9 v1(120.02,22.86) 119.84,22.69 C12.1 119.37,22.06 119.37,20.05 119.55,19.86 IC10.16
  Bottom w0.45: v1(120.02,22.86) 119.38,22.86 118.11,24.13 v1(115.57,24.13) ; 84.45,19.05 v1(88.9,19.05) ; J14.10 87.05,3.81 84.45,6.41 v1(84.45,23.5) 98.42,23.5 99.66,22.26 v1(99.66,22.21) 103.04,22.21 v1(103.66,21.59)
/SNES Controller Board/SNES Controller Shift Register/GND: length 146.6
  Top w0.45: 111.94,22.57 C14.2 v1(113.69,24.76) ; 104.09,29.61 104.09,27.98 v1(104.14,27.94) ; v1(89.51,24.42) 90.89,23.03 C15.2 ; v1(99.03,24.42) 99.58,24.42 C13.2 ; IC13.8 104.6,9.06 v1(104.77,8.89) ; IC12.8 85.55,7.16 v1(85.72,6.98) 85.72,3.83 v1(86.37,3.18) ; v1(97.16,8.89) 96.35,8.89 IC9.8 ; IC10.8 114.3,9.99 J14.1 ; C12.2 v1(118.74,27.56)
  Bottom w0.45: v1(86.37,3.18) 88.28,1.27 113.05,1.27 114.3,2.51 J14.1 ; v1(113.69,24.76) 112.56,25.89 112.56,29.68 112.39,29.84 ; 112.39,29.84 117.48,29.84 118.74,28.57 v1(118.74,27.56) ; 112.39,29.84 112.11,30.13 108.24,30.13 107.95,29.84 ; 107.95,29.84 108.3,29.5 108.3,27.62 107.98,27.31 104.77,27.31 v1(104.14,27.94) ; 107.95,29.84 107.95,31.11 93.34,31.11 J8.10 87.63,29.22 87.63,26.3 v1(89.51,24.42) v1(99.03,24.42) ; v1(104.77,8.89) 104.14,9.53 90.17,9.53 87.63,6.98 v1(85.72,6.98)
/SNES Controller Board/SNES Controller Translation/5V: length 74.7
  Top w0.45: v1(44.2,66.17) 44.21,66.18 IC19.8 ; J15.1 58.44,66.66 58.42,66.67 58.16,66.41 RN2.16 RN2.14 RN2.13 RN2.12 RN2.11 ; IC19.14 42.88,71.8 v1(41.91,70.83) ; v1(47.62,55.88) 47.62,50.45 IC20.14 43.69,47.67 43.69,47.67 43.69,43.77 43.69,43.77 48.09,43.77 J19.1
  Bottom w0.45: 45.08,62.86 44.62,62.86 43.45,64.04 43.45,65.42 v1(44.2,66.17) 44.2,68.83 42.2,70.83 v1(41.91,70.83) ; 45.08,62.86 50.16,62.86 51.44,61.59 53.21,61.59 58.28,66.66 J15.1 ; 45.08,62.86 45.08,58.42 v1(47.62,55.88)
/SNES Controller Board/SNES Controller Translation/GND: length 8
  Top w0.45: IC20.4 IC20.5 40.27,45.07 ; v1(41.28,45.08) 41.26,45.07 40.27,45.07 ; 40.27,45.07 40.26,45.06 40.26,44.07 39.96,43.77 38.97,43.77 ; v1(38.1,65.41) 38.34,65.64 IC19.7
/SNES Ports/5V: length 193.2
  Top w0.953: 72.19,163.19 72.19,175.69 v2(72.39,175.89) ; v2(115.57,175.89) 115.46,175.79 115.46,163.19 ; J32.8 141.59,170.19 148.59,163.19 158.65,163.19 ; 201.83,163.19 201.83,175.79 v2(201.93,175.89)
  Bottom w0.953: v2(201.93,175.89) 143.5,175.89 J32.8 139.68,175.89 v2(115.57,175.89) v2(72.39,175.89)
/SNES Ports/GND: length 149.4
  Top w0.953: 185.42,158.12 185.67,158.36 185.67,163.19 ; 185.42,158.12 142.24,158.12 ; 185.42,158.12 227.33,158.12 228.84,159.63 228.84,163.19 ; 142.39,163.19 142.39,158.26 142.24,158.12 ; 142.24,158.12 99.06,158.12 99.21,158.26 99.21,163.19
/Address0: length 155.1
  Top w0.635: v2(179.83,106.81) 179.84,106.8 179.84,89.05 175.9,85.11 175.9,23.5 v2(174.33,21.93) ; v2(147.66,25.74) 145.87,23.95 145.87,20.9 146.91,19.87 146.91,18.45 v2(147.7,17.65)
  Bottom w0.635: v2(179.83,106.81) 178.48,108.16 157.95,108.16 ; v2(174.33,21.93) 166.88,21.93 165.28,23.53 155.13,23.53 152.92,25.74 v2(147.66,25.74) ; v2(147.7,17.65) 148.61,16.75 J2.B12
/Address1: length 152.8
  Top w0.635: v2(145.76,27.01) 145.04,26.29 145.04,19.68 v2(145.67,19.05) ; v2(178.69,105.16) 178.7,105.15 178.7,89.09 175.06,85.45 175.06,25.2 v2(173.7,23.84)
  Bottom w0.635: J23.12 159.09,107.02 176.82,107.02 v2(178.69,105.16) ; J2.B13 147.61,14.37 145.67,16.3 v2(145.67,19.05) ; v2(145.76,27.01) 145.87,26.89 152.95,26.89 155.48,24.37 173.17,24.37 v2(173.7,23.84)
/Address2: length 151.8
  Top w0.635: v2(173.06,25.74) 174.23,26.91 174.23,85.8 177.56,89.13 177.56,103.24 v2(177.55,103.25) ; v2(143.85,28.92) v2(143.85,18.76)
  Bottom w0.635: v2(177.55,103.25) 175.05,105.75 160.36,105.75 J23.13 ; J2.B14 146.61,14.19 143.85,16.94 v2(143.85,18.76) ; v2(143.85,28.92) 152.11,28.92 155.82,25.2 172.52,25.2 v2(173.06,25.74)
/Address3: length 151.1
  Top w0.635: v2(172.43,27.65) 173.39,28.61 173.39,86.14 176.4,89.15 v2(176.4,101.47) ; v2(141.35,18.67) 142.7,20.02 142.7,29.67 v2(143.85,30.82)
  Bottom w0.635: v2(172.43,27.65) 170.81,26.03 156.26,26.03 151.47,30.82 v2(143.85,30.82) ; J2.B15 145.61,13.83 141.35,18.08 v2(141.35,18.67) ; J23.14 161.31,104.16 173.71,104.16 v2(176.4,101.47)
/Data0: length 145.5
  Top w0.635: v2(162.57,113.03) 162.67,112.93 162.67,86.88 167.32,82.23 ; v2(172.24,82.26) 172.24,71.79 171.16,70.71 v2(168.84,70.71) ; J2.A3 159.61,14.1 160.29,14.78 160.29,68.95 v2(160.61,69.27)
  Bottom w0.635: 167.32,82.23 172.21,82.23 v2(172.24,82.26) ; v2(162.57,113.03) 162.91,113.37 187.64,113.37 ; v2(168.84,70.71) 168.36,70.23 165.19,70.23 165.03,70.39 162.46,70.39 161.39,69.32 160.65,69.32 v2(160.61,69.27)
/Data1: length 146.2
  Top w0.635: 167.32,84.77 163.5,88.59 163.5,102.39 163.72,102.62 163.72,115.17 v2(163.45,115.44) ; v2(170.52,72.73) 171.09,73.3 171.09,84.73 v2(171.16,84.8) ; v2(159.73,71.59) 159.45,71.31 159.45,15.12 158.61,14.28 J2.A4
  Bottom w0.635: v2(171.16,84.8) 171.13,84.77 167.32,84.77 ; J30.8 167.38,115.88 ; 167.35,115.91 163.92,115.91 v2(163.45,115.44) ; v2(159.73,71.59) 160.36,72.21 163.38,72.21 163.7,72.53 167.19,72.53 167.5,72.21 170,72.21 v2(170.52,72.73)
/Data2: length 140.9
  Top w0.635: v2(169.61,118.45) 169.89,118.17 v2(169.89,87.34) 169.89,75.27 v2(167.98,73.37) ; J2.A5 157.61,14.46 158.57,15.42 158.57,72.06 159.88,73.37 v2(162.27,73.37)
  Bottom w0.635: v2(169.89,87.34) 169.86,87.31 167.32,87.31 ; v2(167.98,73.37) v2(162.27,73.37) ; 167.35,118.45 187.64,118.45
/Data3: length 143.4
  Top w0.635: v2(170.44,120.99) 170.76,120.67 170.76,94.9 171.07,94.58 171.07,94.13 171.16,94.05 v2(171.16,89.88) ; J2.A6 156.61,14.64 157.74,15.77 157.74,84.08 v2(157.82,84.16)
  Bottom w0.635: 167.38,120.96 J30.6 ; v2(171.16,89.88) 171.03,89.75 160.49,89.75 157.82,87.08 v2(157.82,84.16) ; 170.47,120.96 v2(170.44,120.99)
/Data4: length 147.5
  Top w0.635: v2(172.43,92.42) 172.43,93.96 171.91,94.48 171.91,94.93 171.59,95.25 171.59,123.21 v2(171.27,123.53) ; v2(156.55,86.7) 156.67,86.58 156.67,15.88 155.61,14.82 J2.A7
  Bottom w0.635: v2(156.55,86.7) 156.55,87.75 159.38,90.59 160.95,90.59 162.77,92.42 v2(172.43,92.42) ; 167.35,123.53 187.64,123.53
/Data5: length 152.5
  Top w0.635: v2(173.06,94.96) 172.43,95.59 172.43,125.44 v2(171.79,126.07) ; v2(155.92,89.24) 155.4,88.72 155.4,85.59 155.83,85.15 155.83,16.22 154.61,15 J2.A8
  Bottom w0.635: v2(155.92,89.24) 158.1,91.42 160.51,91.42 164.04,94.96 v2(173.06,94.96) ; v2(171.79,126.07) 173.06,126.07 173.09,126.04 ; 173.09,126.04 167.38,126.04 ; 173.09,126.04 J30.4
/Data6: length 154.3
  Top w0.635: J2.A9 153.61,15.18 154.76,16.33 154.76,85.04 154.56,85.24 154.56,90.43 v2(155.28,91.15) ; v2(172.43,128.61) 173.36,127.68 173.36,98.47 v2(173.7,98.13)
  Bottom w0.635: 187.64,128.61 167.35,128.61 ; 167.32,97.47 173.03,97.47 v2(173.7,98.13) ; 167.35,97.5 165.4,97.5 160.16,92.26 156.39,92.26 v2(155.28,91.15)
